# Altium PCB PS-010.PcbDoc (part 1 of 3)
Units mil, origin at the board's own origin, x right, y up, seen from the top; angles counter-clockwise.
Board outline 1750 x 1750 mil, 4 copper layers (L1 - Top Layer, L2 - GND, L3 - PWR, L4 - Bottom Layer), stack 62.178 mil thick; 165 components, 115 nets, 696 pads, 360 vias.
Unrouted connection lines stored in the file: 6.
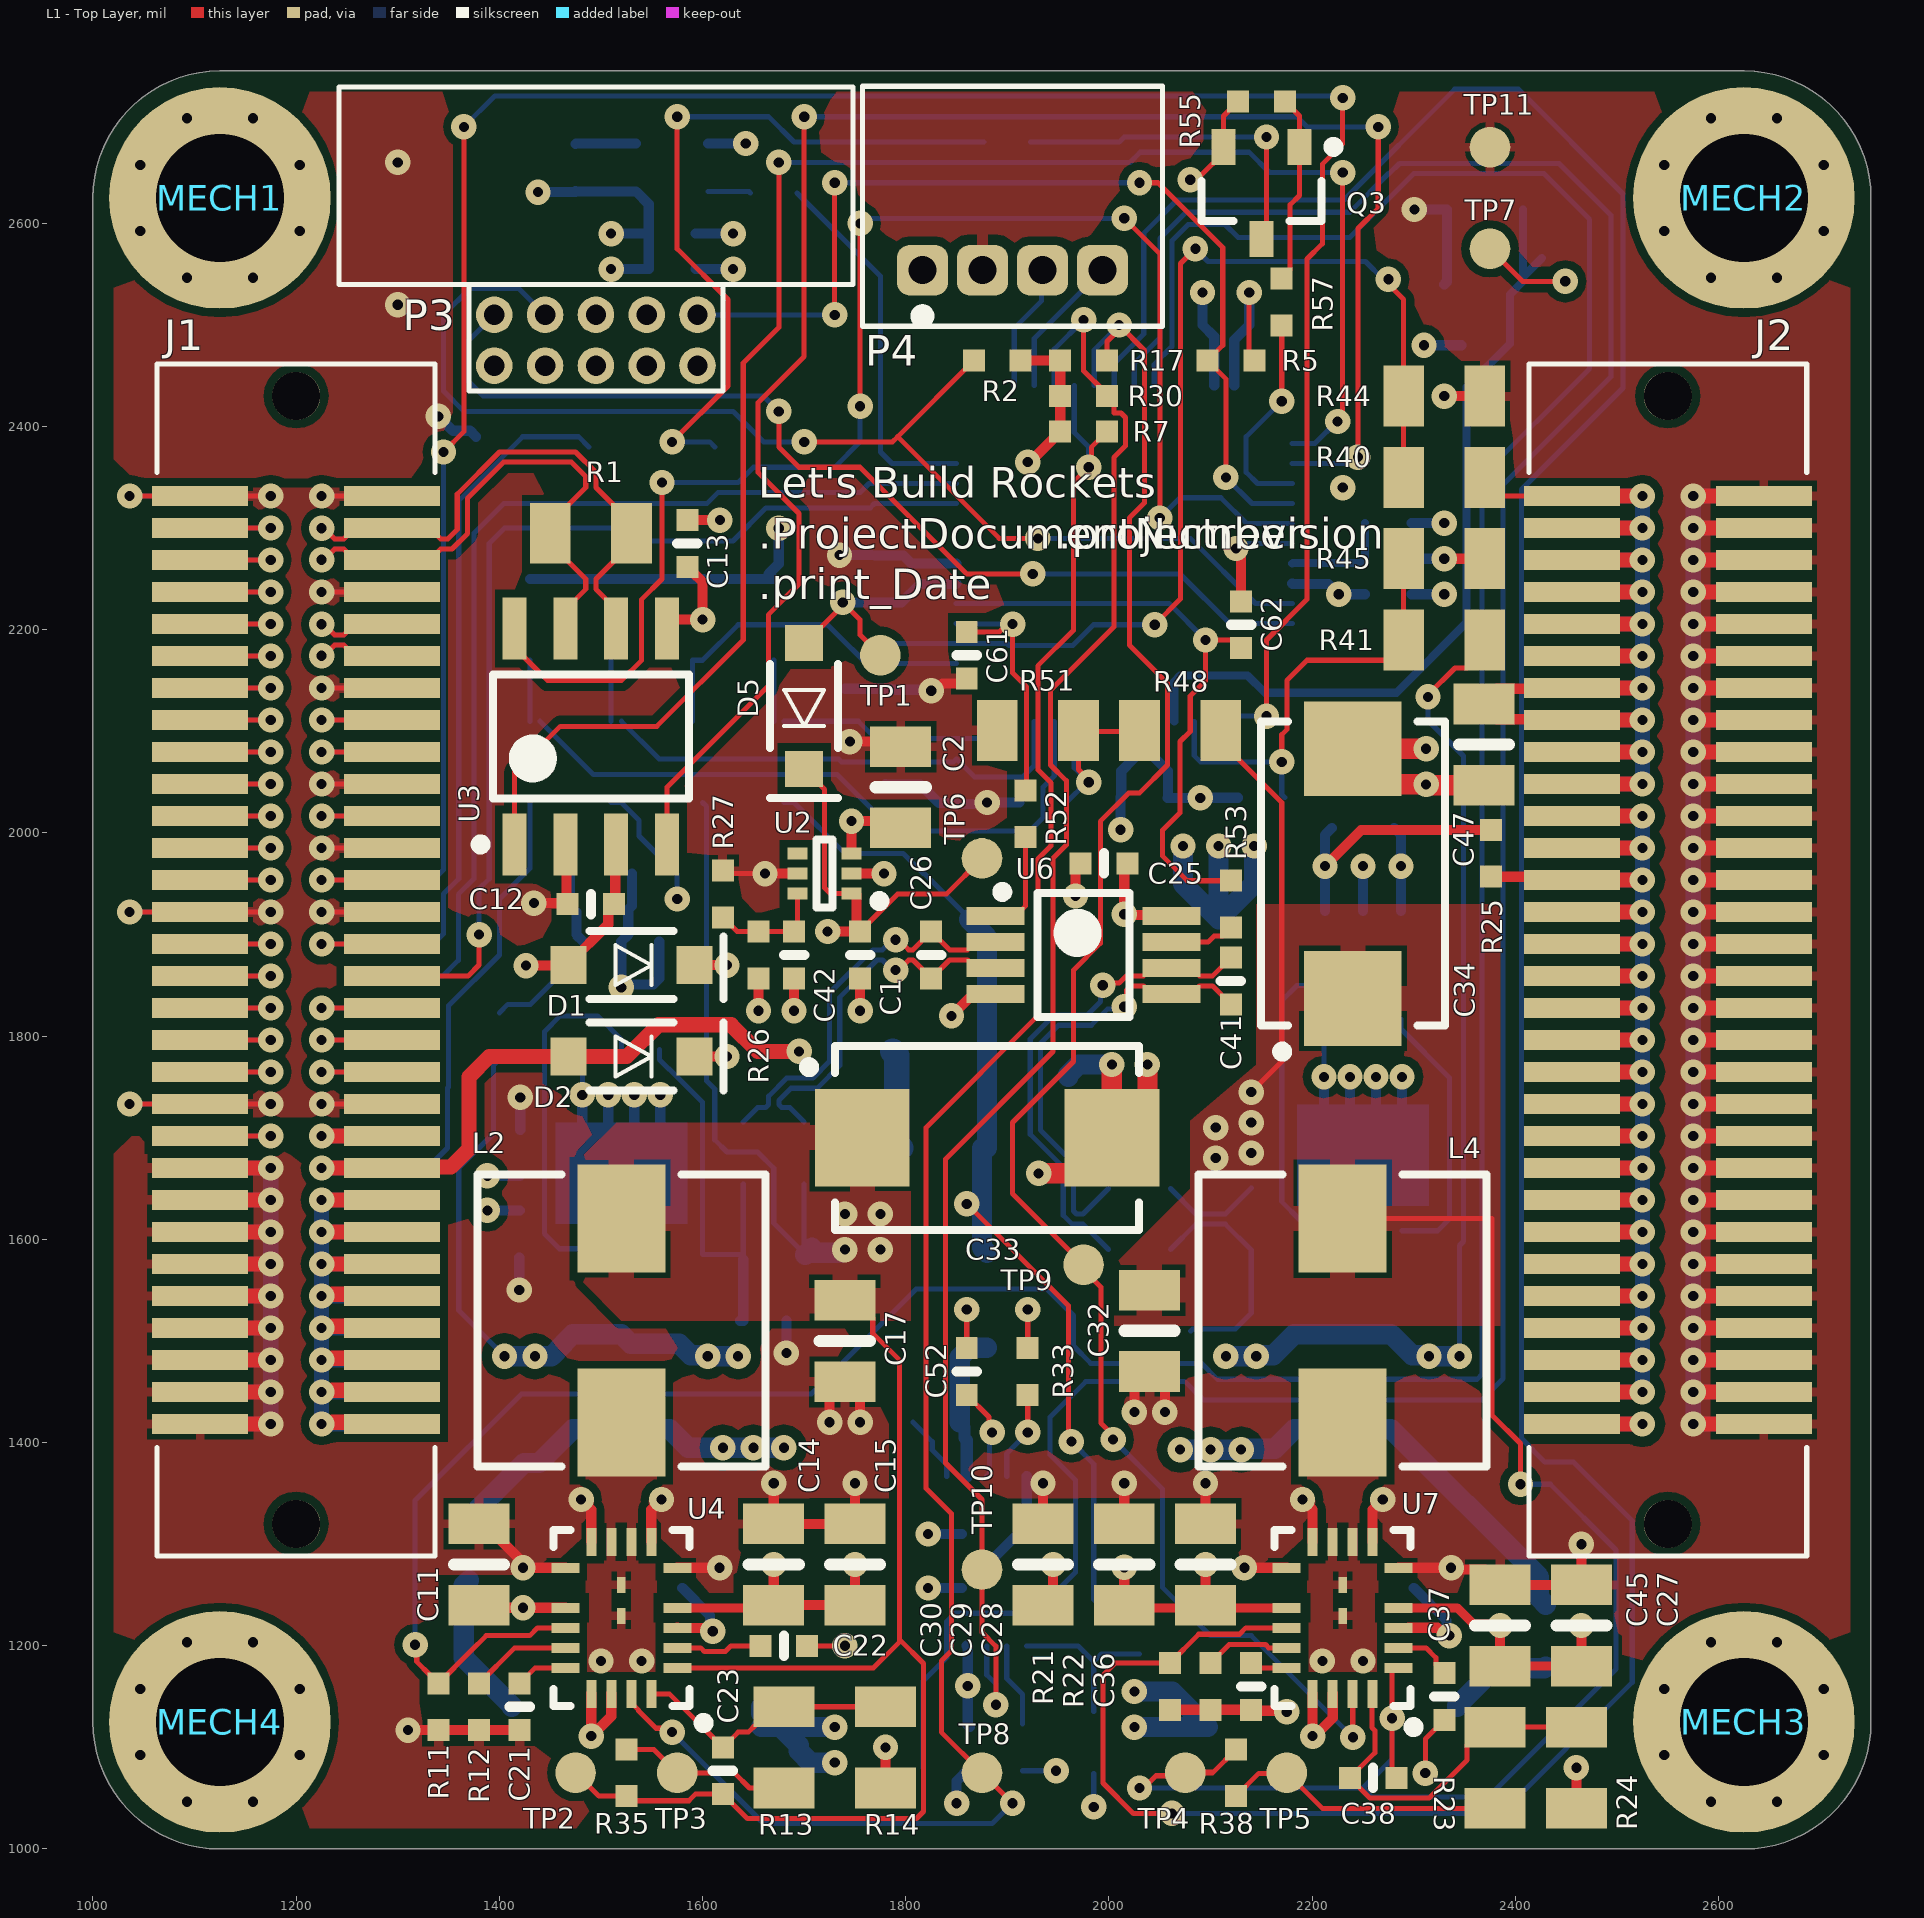
[diagram p0: L1 - Top Layer view]
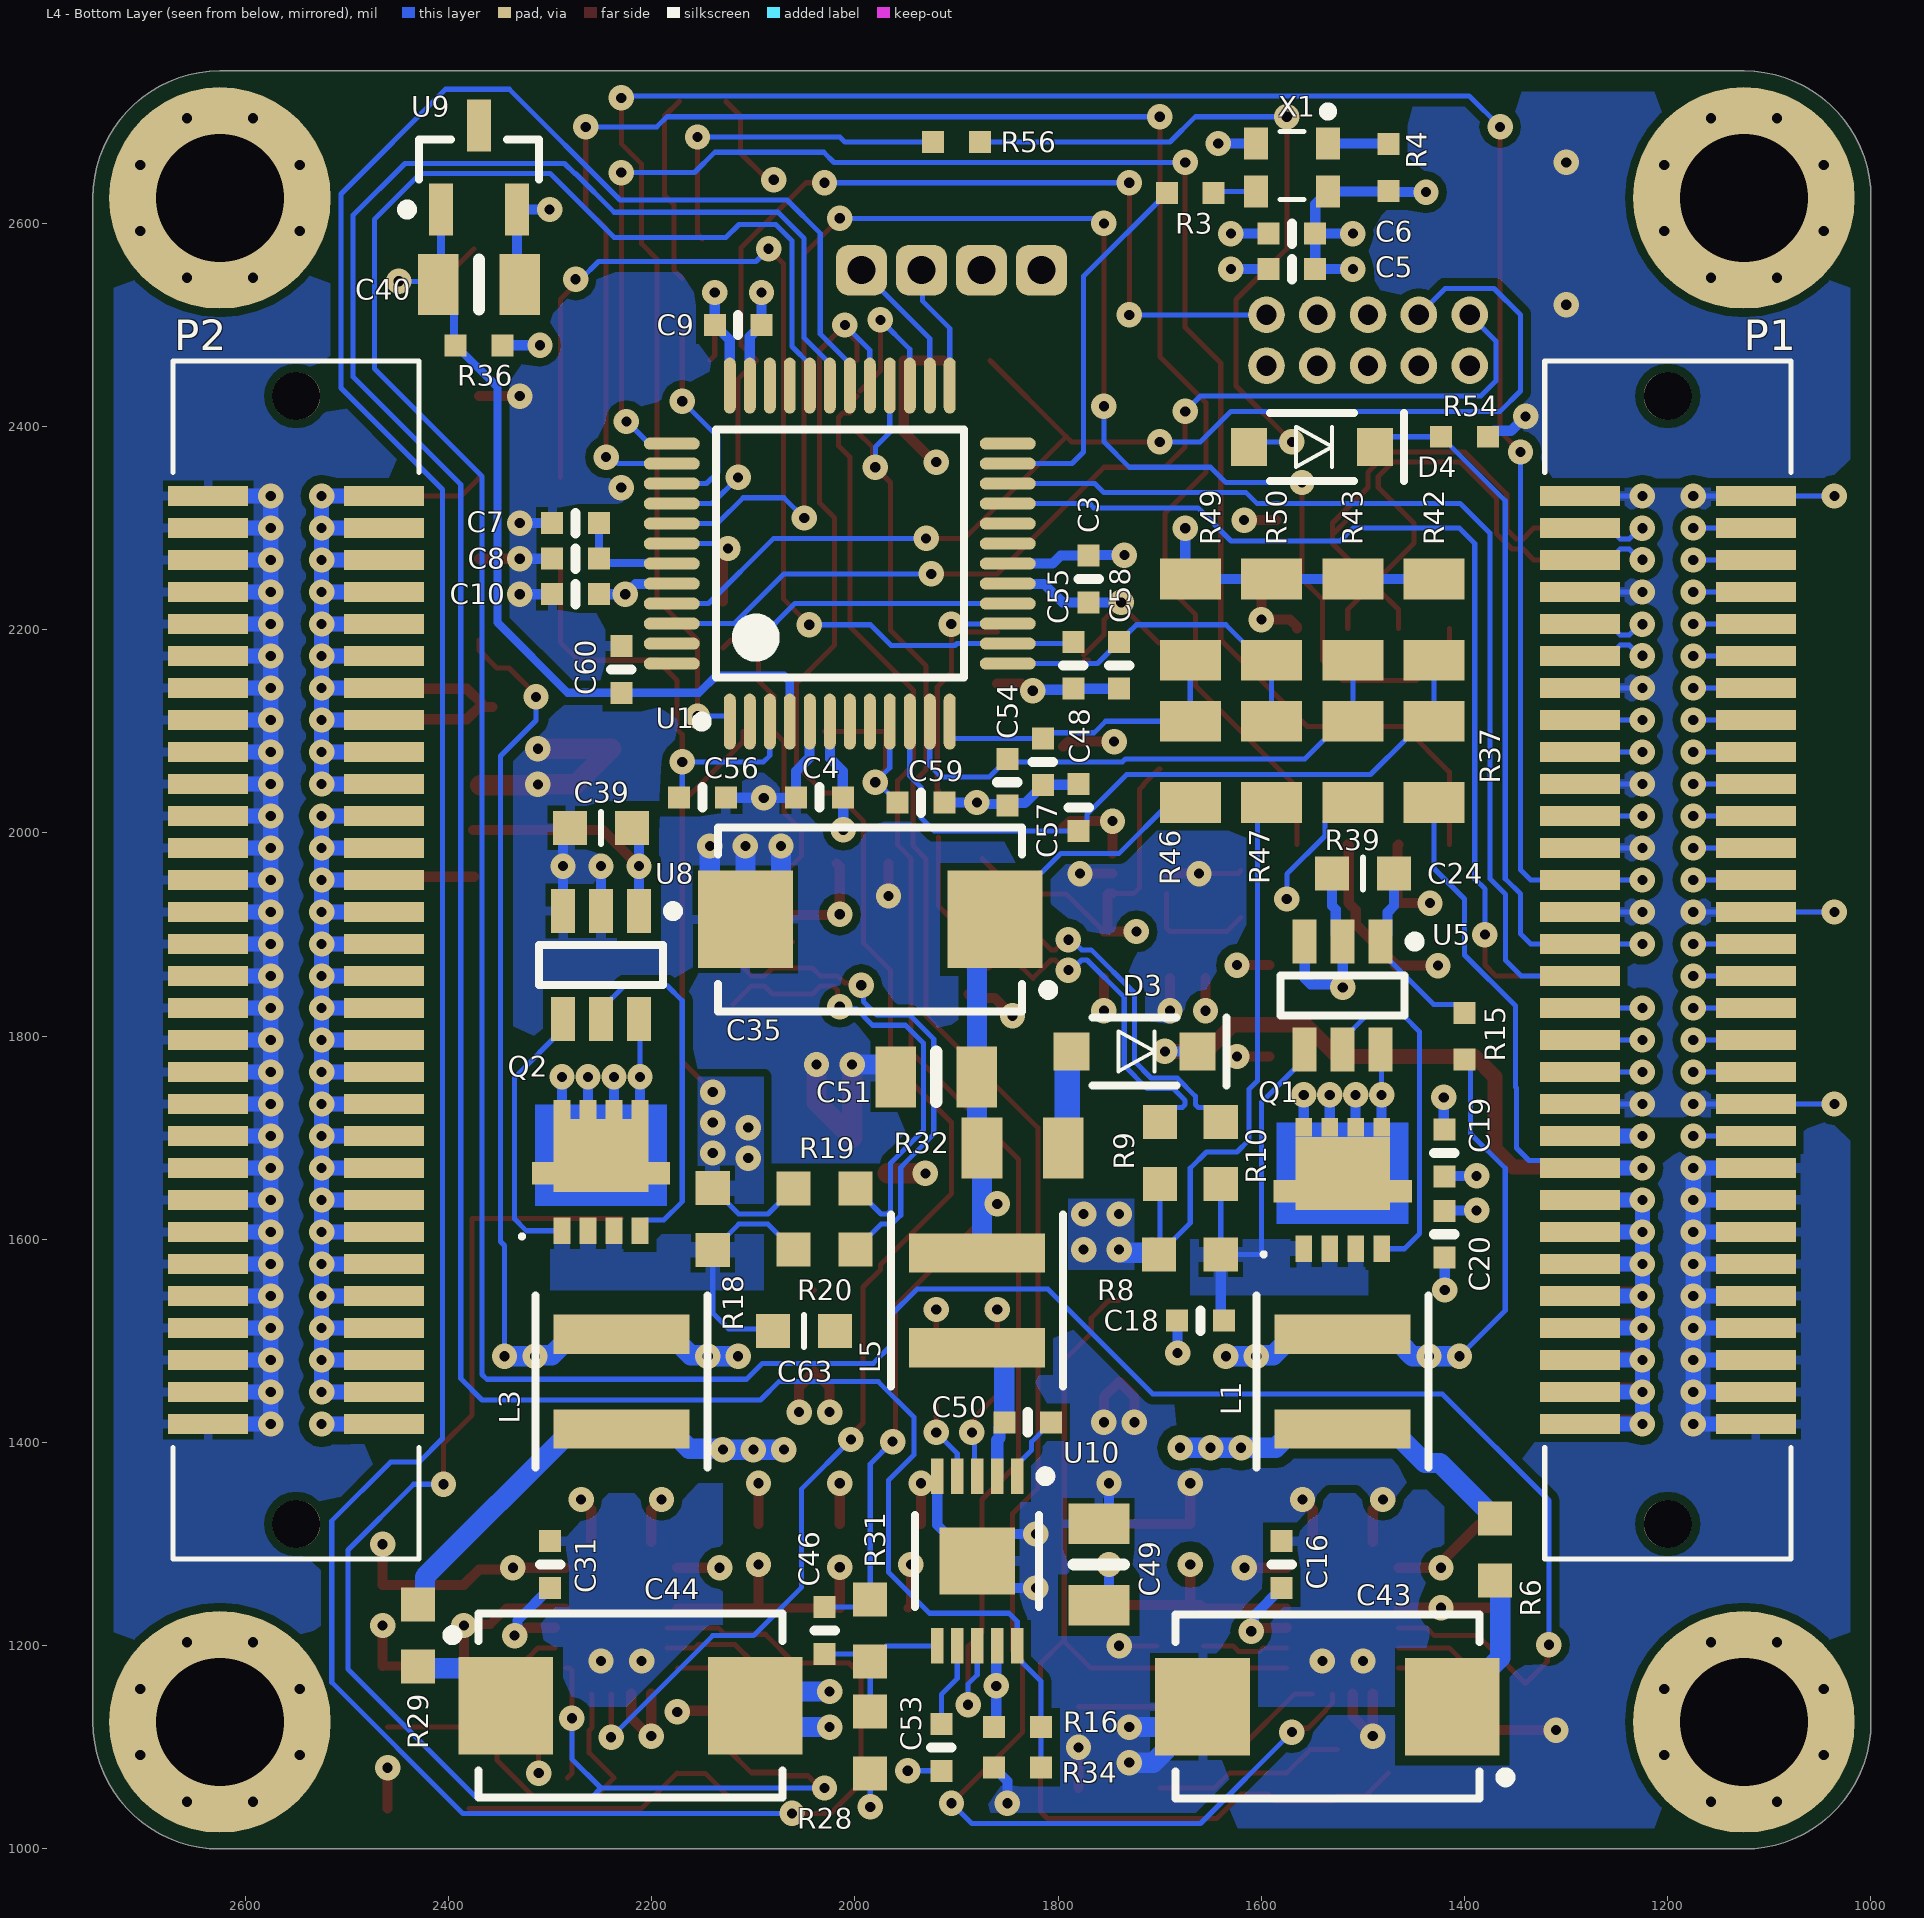
[diagram p1: L4 - Bottom Layer view, seen from below]
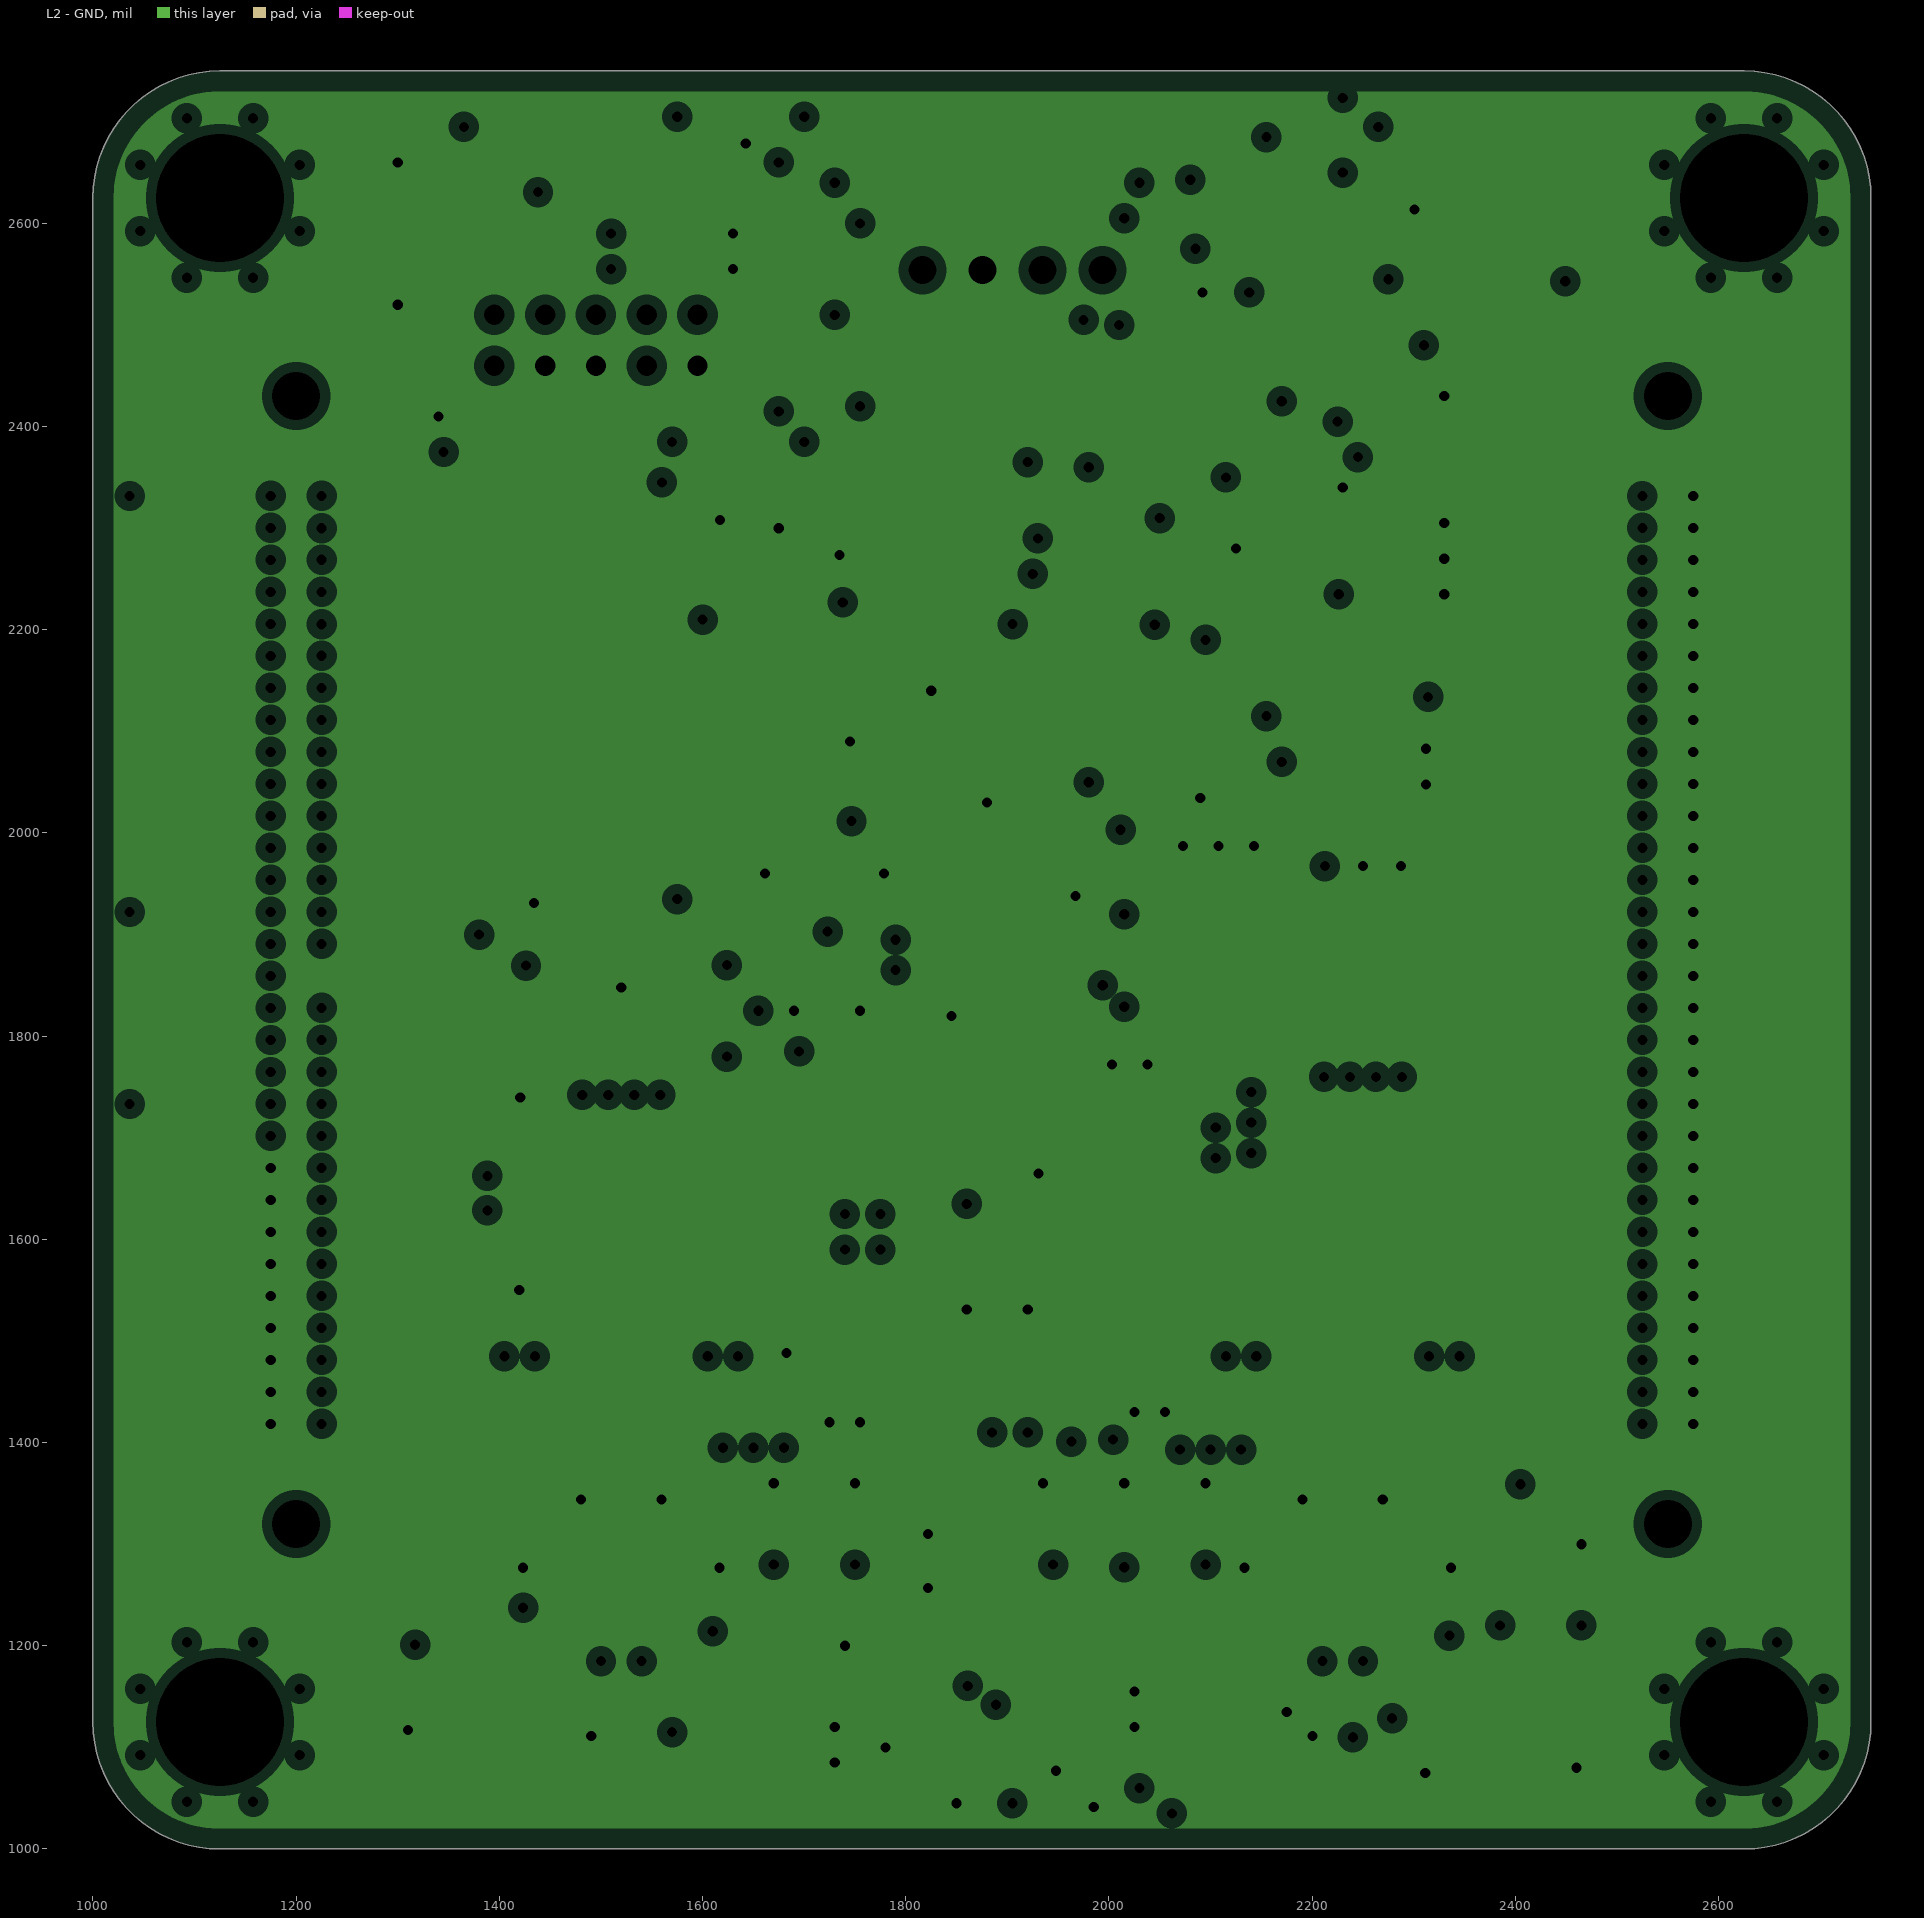
[diagram p2: L2 - GND, clearances drawn from the general rule]
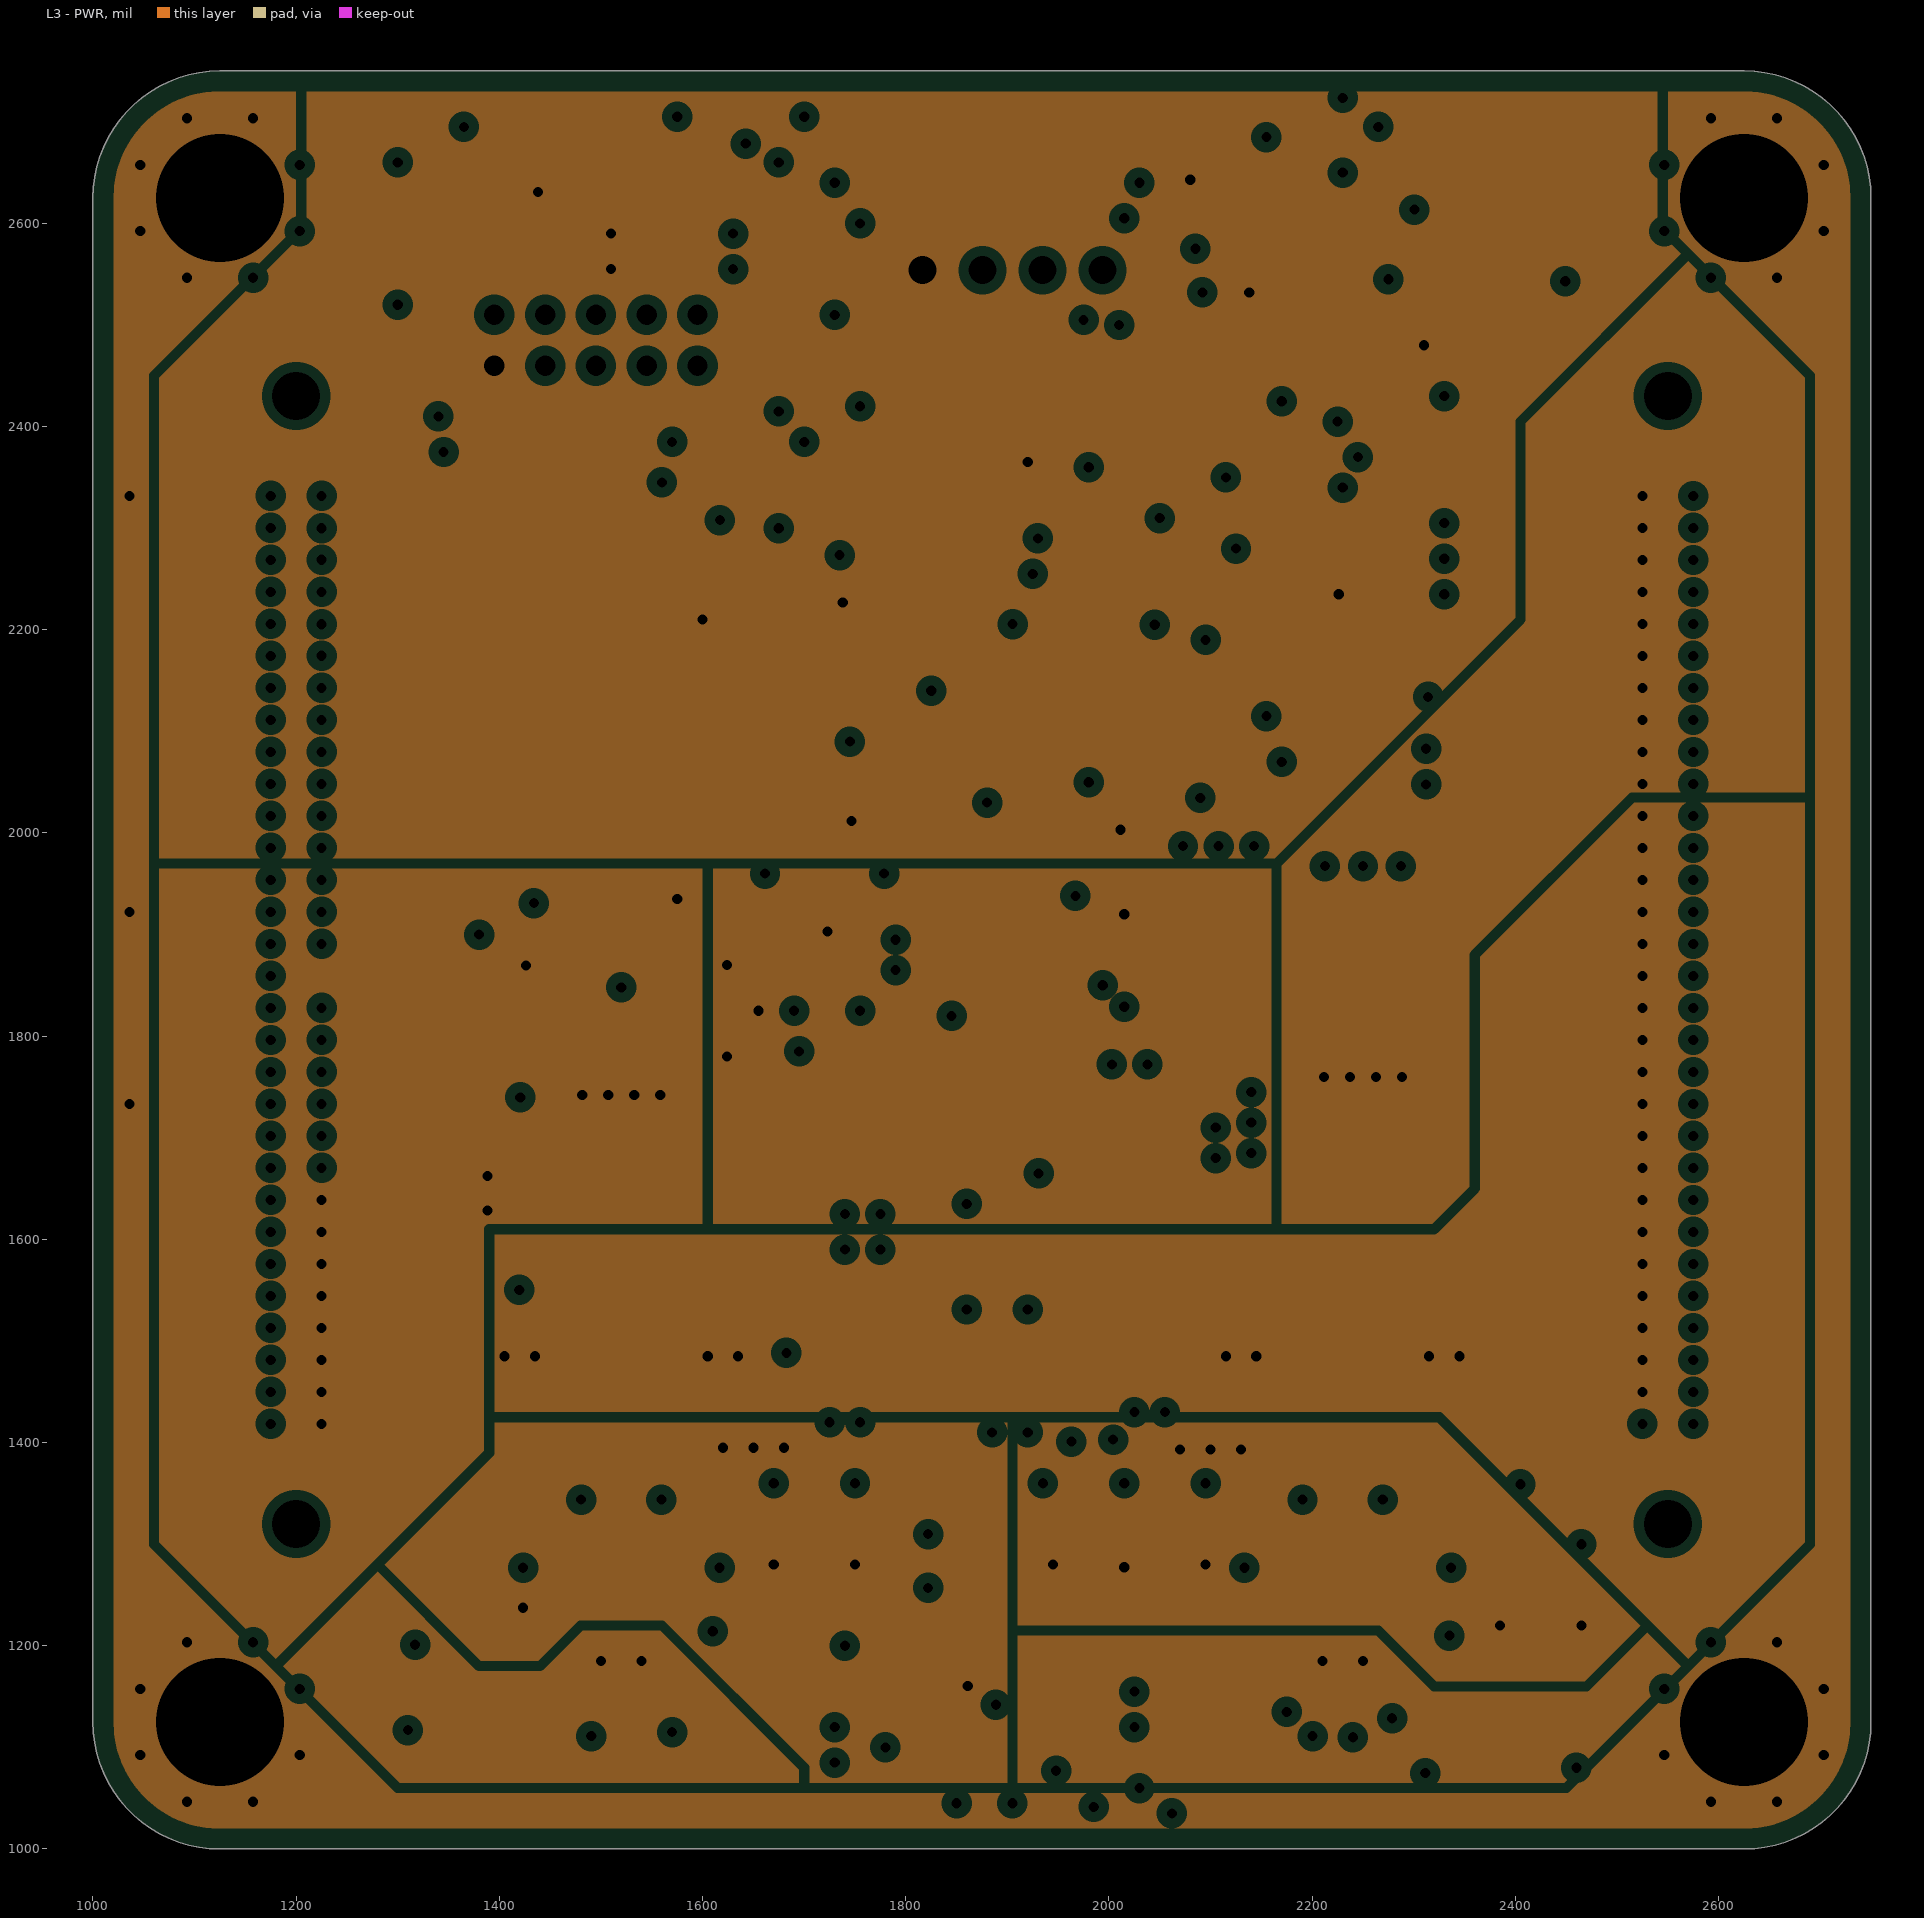
[diagram p3: L3 - PWR, clearances drawn from the general rule]
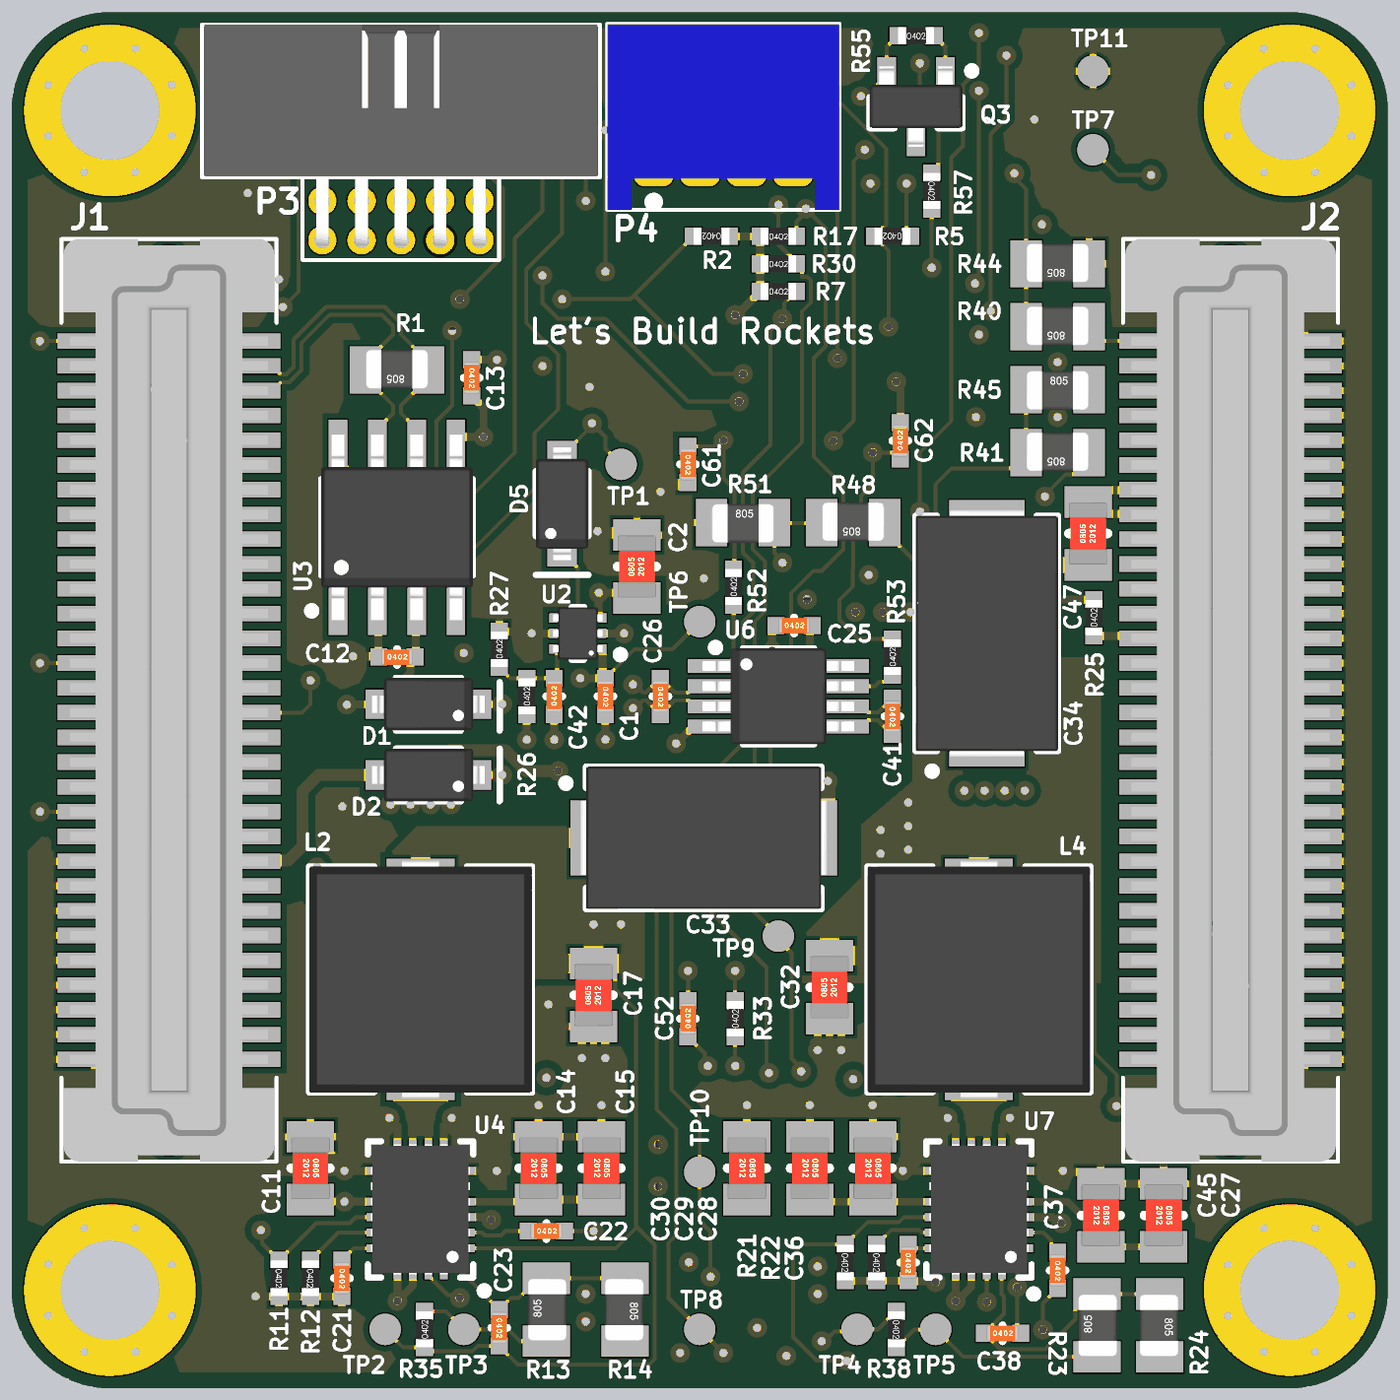
[diagram p6: 3D render of the assembled board from above, using the file's embedded part models]